# Altium PCB CSU RevB_ASCII.PcbDoc (part 1 of 5)
Units mil, origin at the board's own origin, x right, y up, seen from the top; angles counter-clockwise.
Board outline 5905.51 x 4330.71 mil, 8 copper layers (Top Layer, InternalPlane1, MidLayer1, InternalPlane2, MidLayer2, InternalPlane3, MidLayer3, Bottom Layer); 265 components, 387 nets, 1910 pads, 1151 vias.
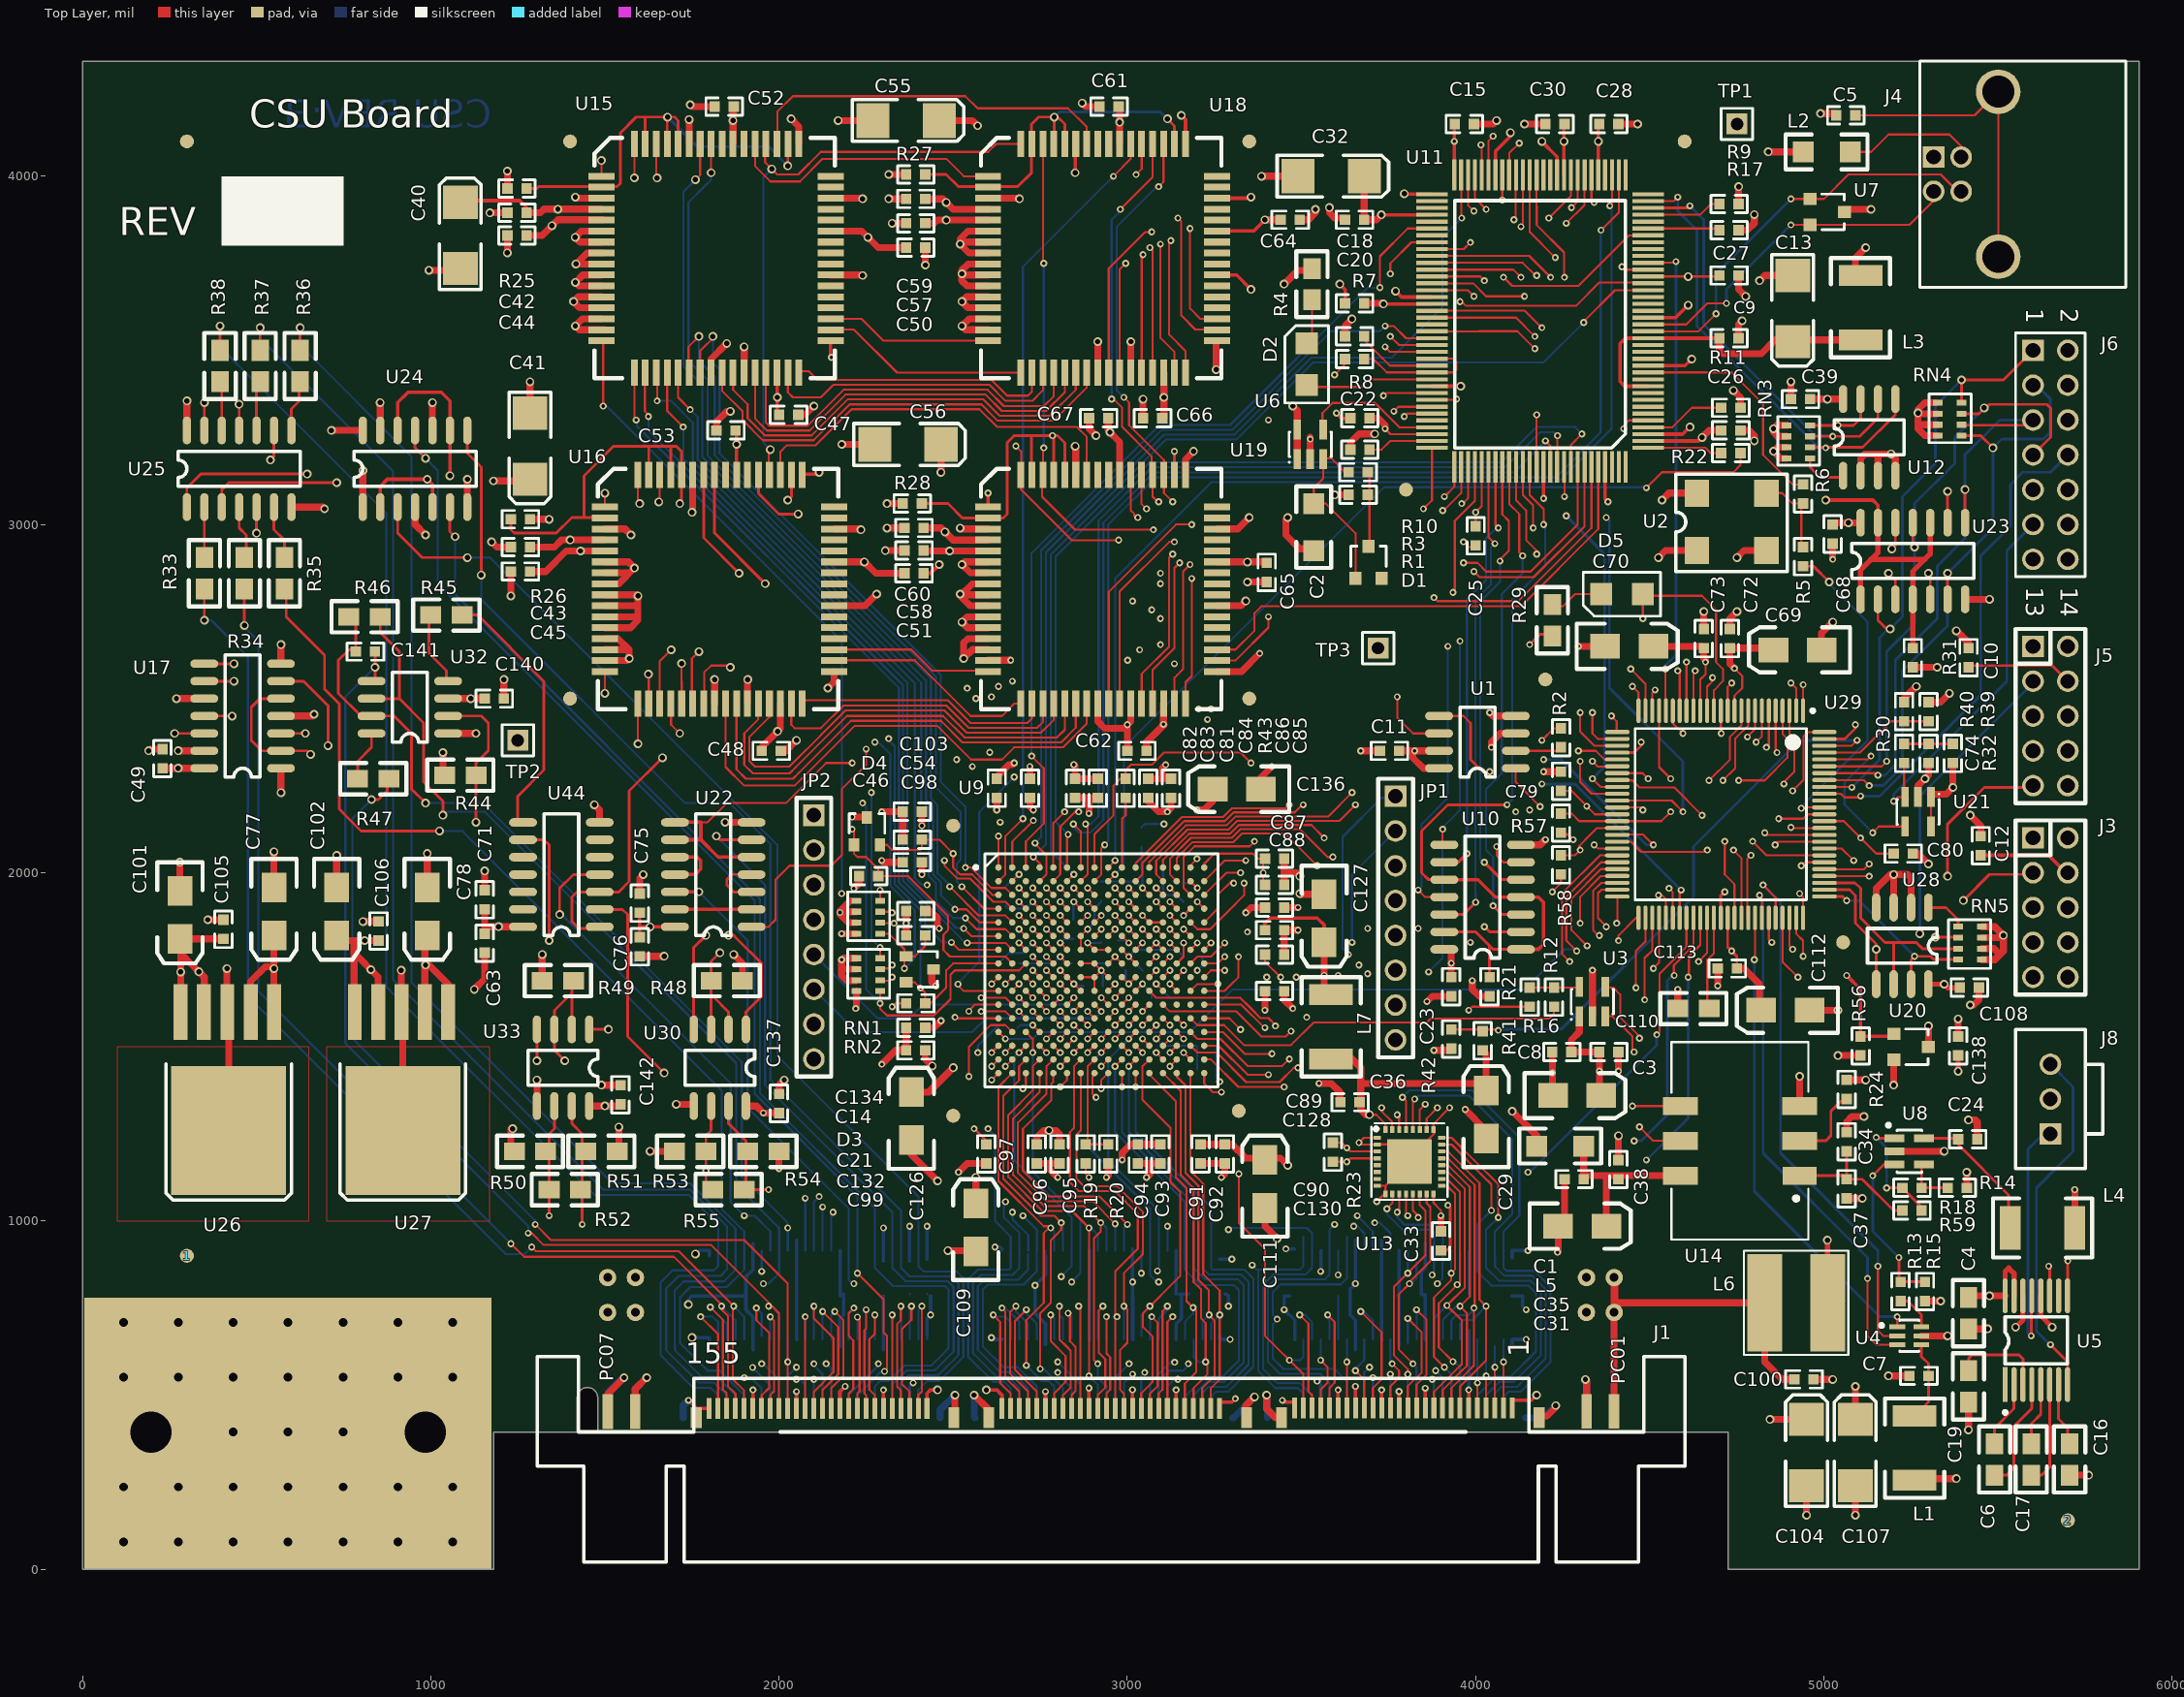
[diagram p0: Top Layer view]
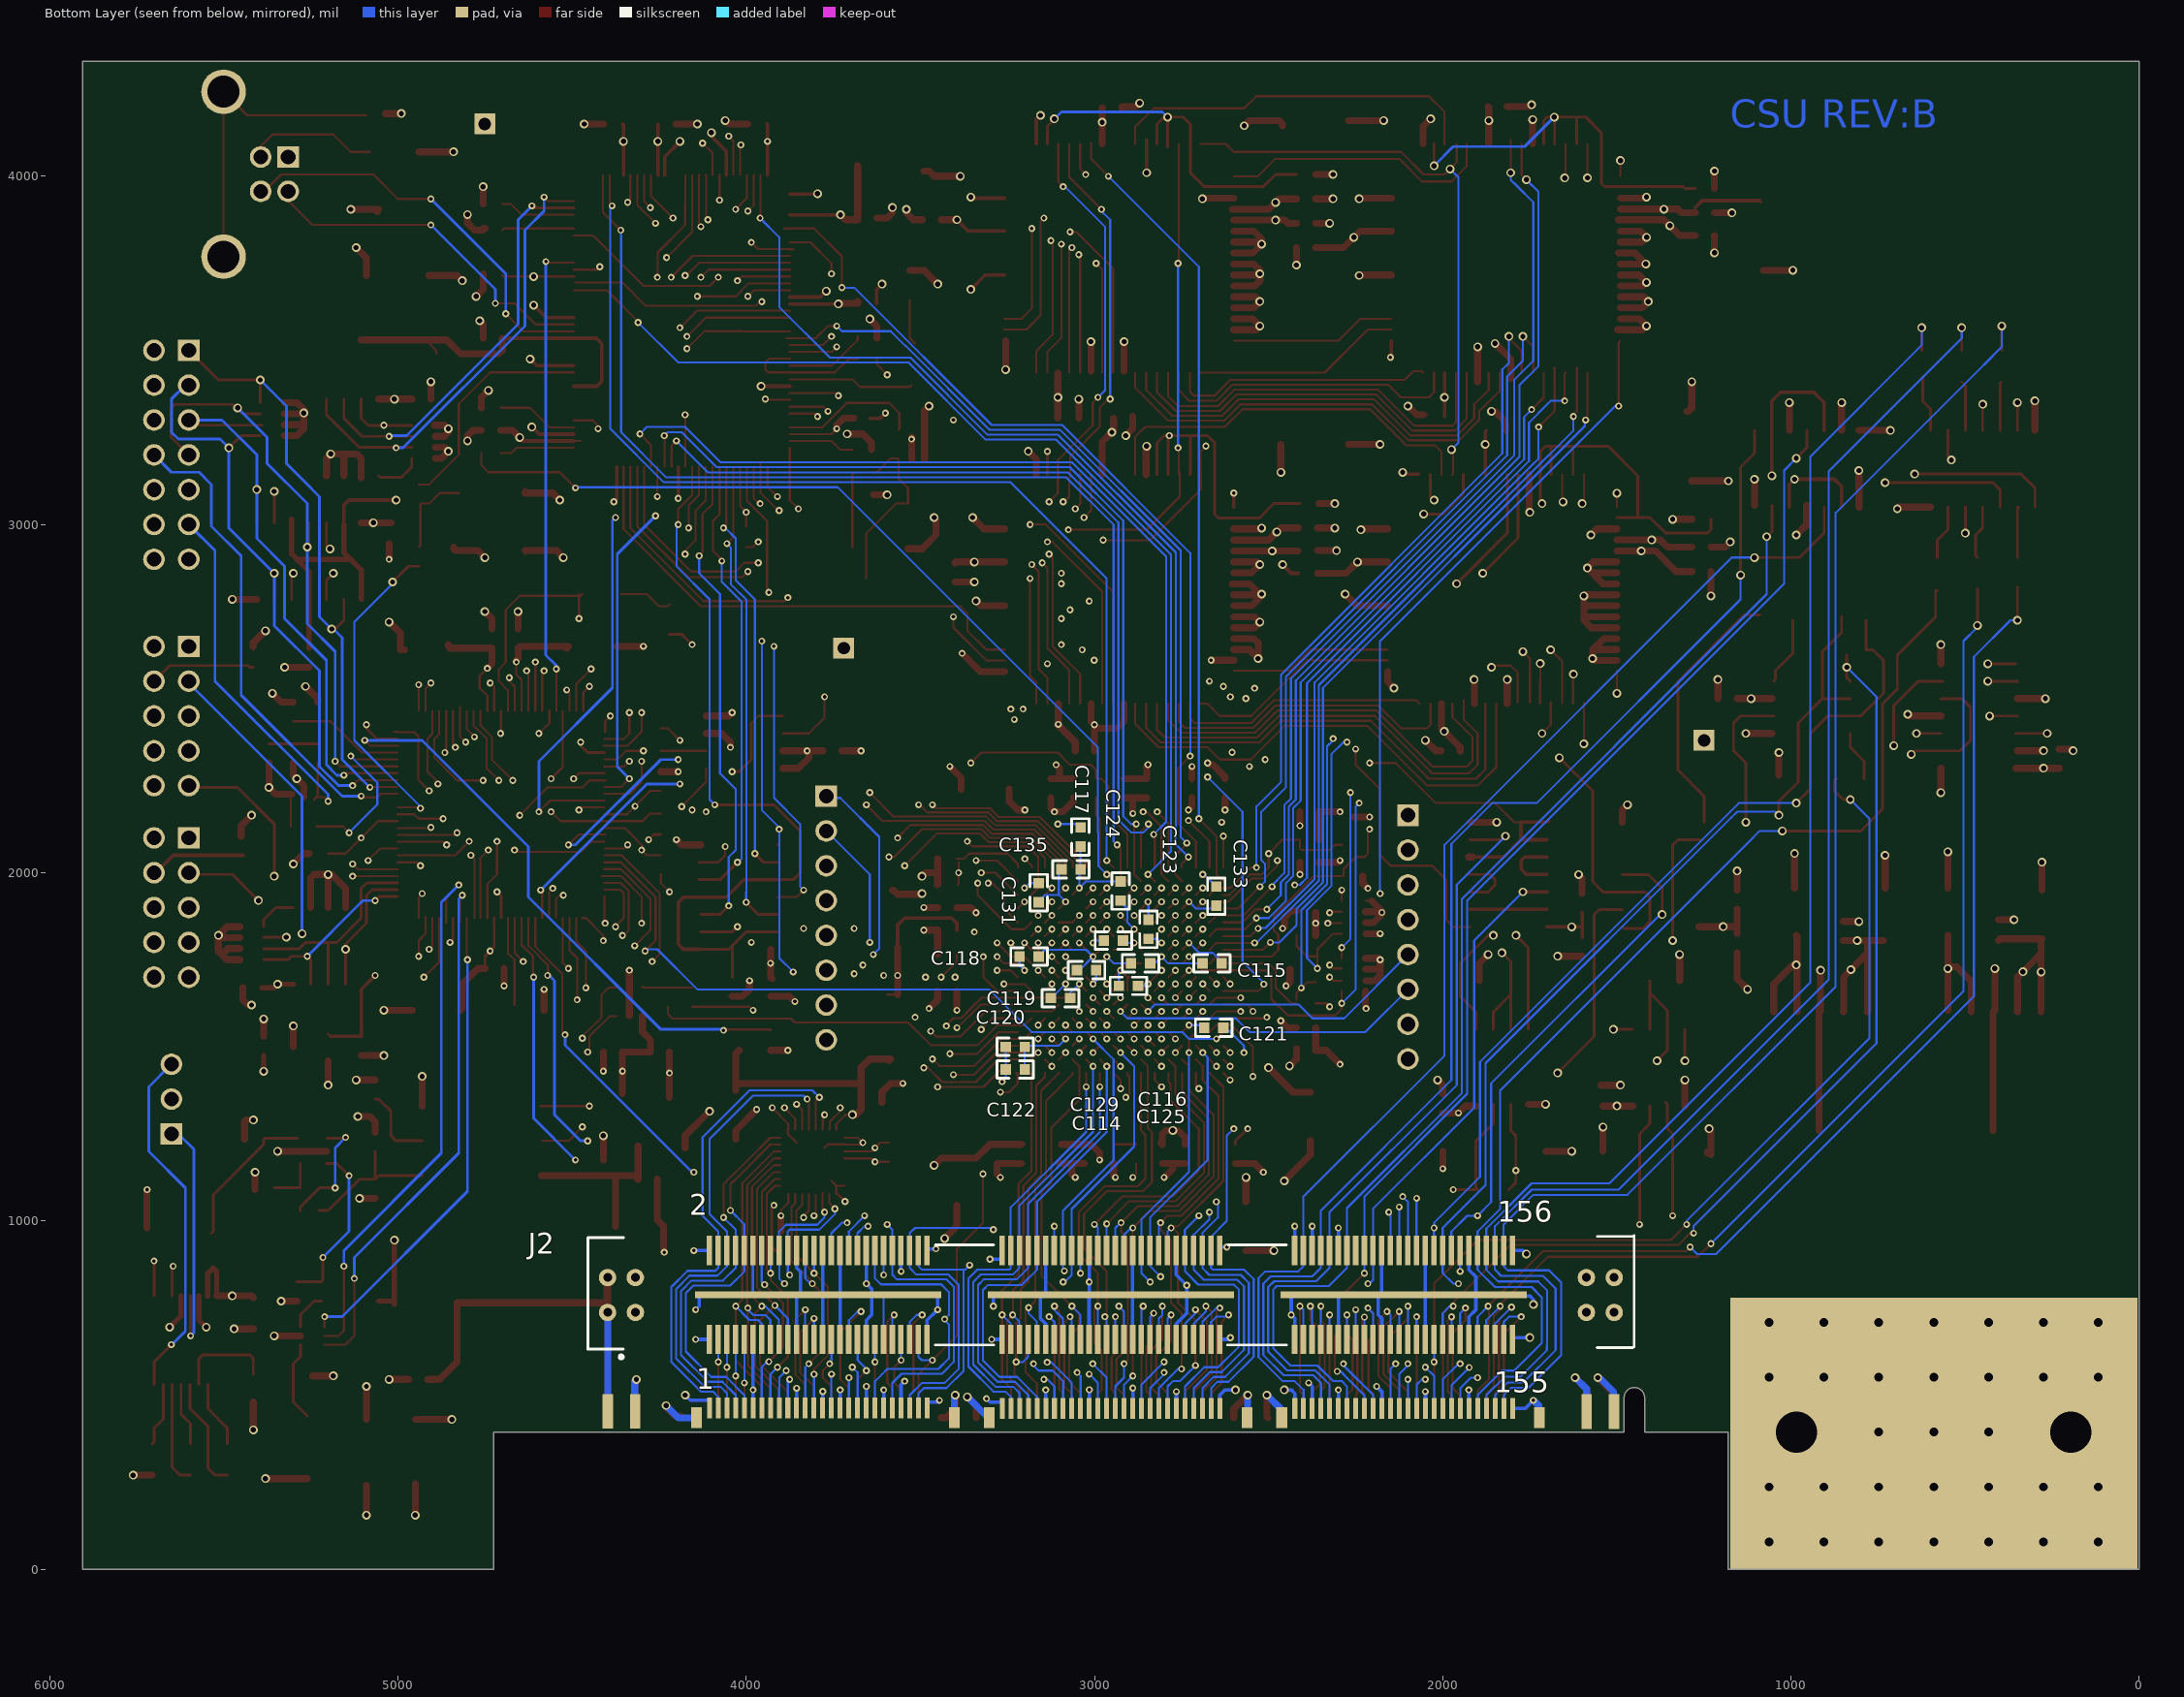
[diagram p1: Bottom Layer view, seen from below]
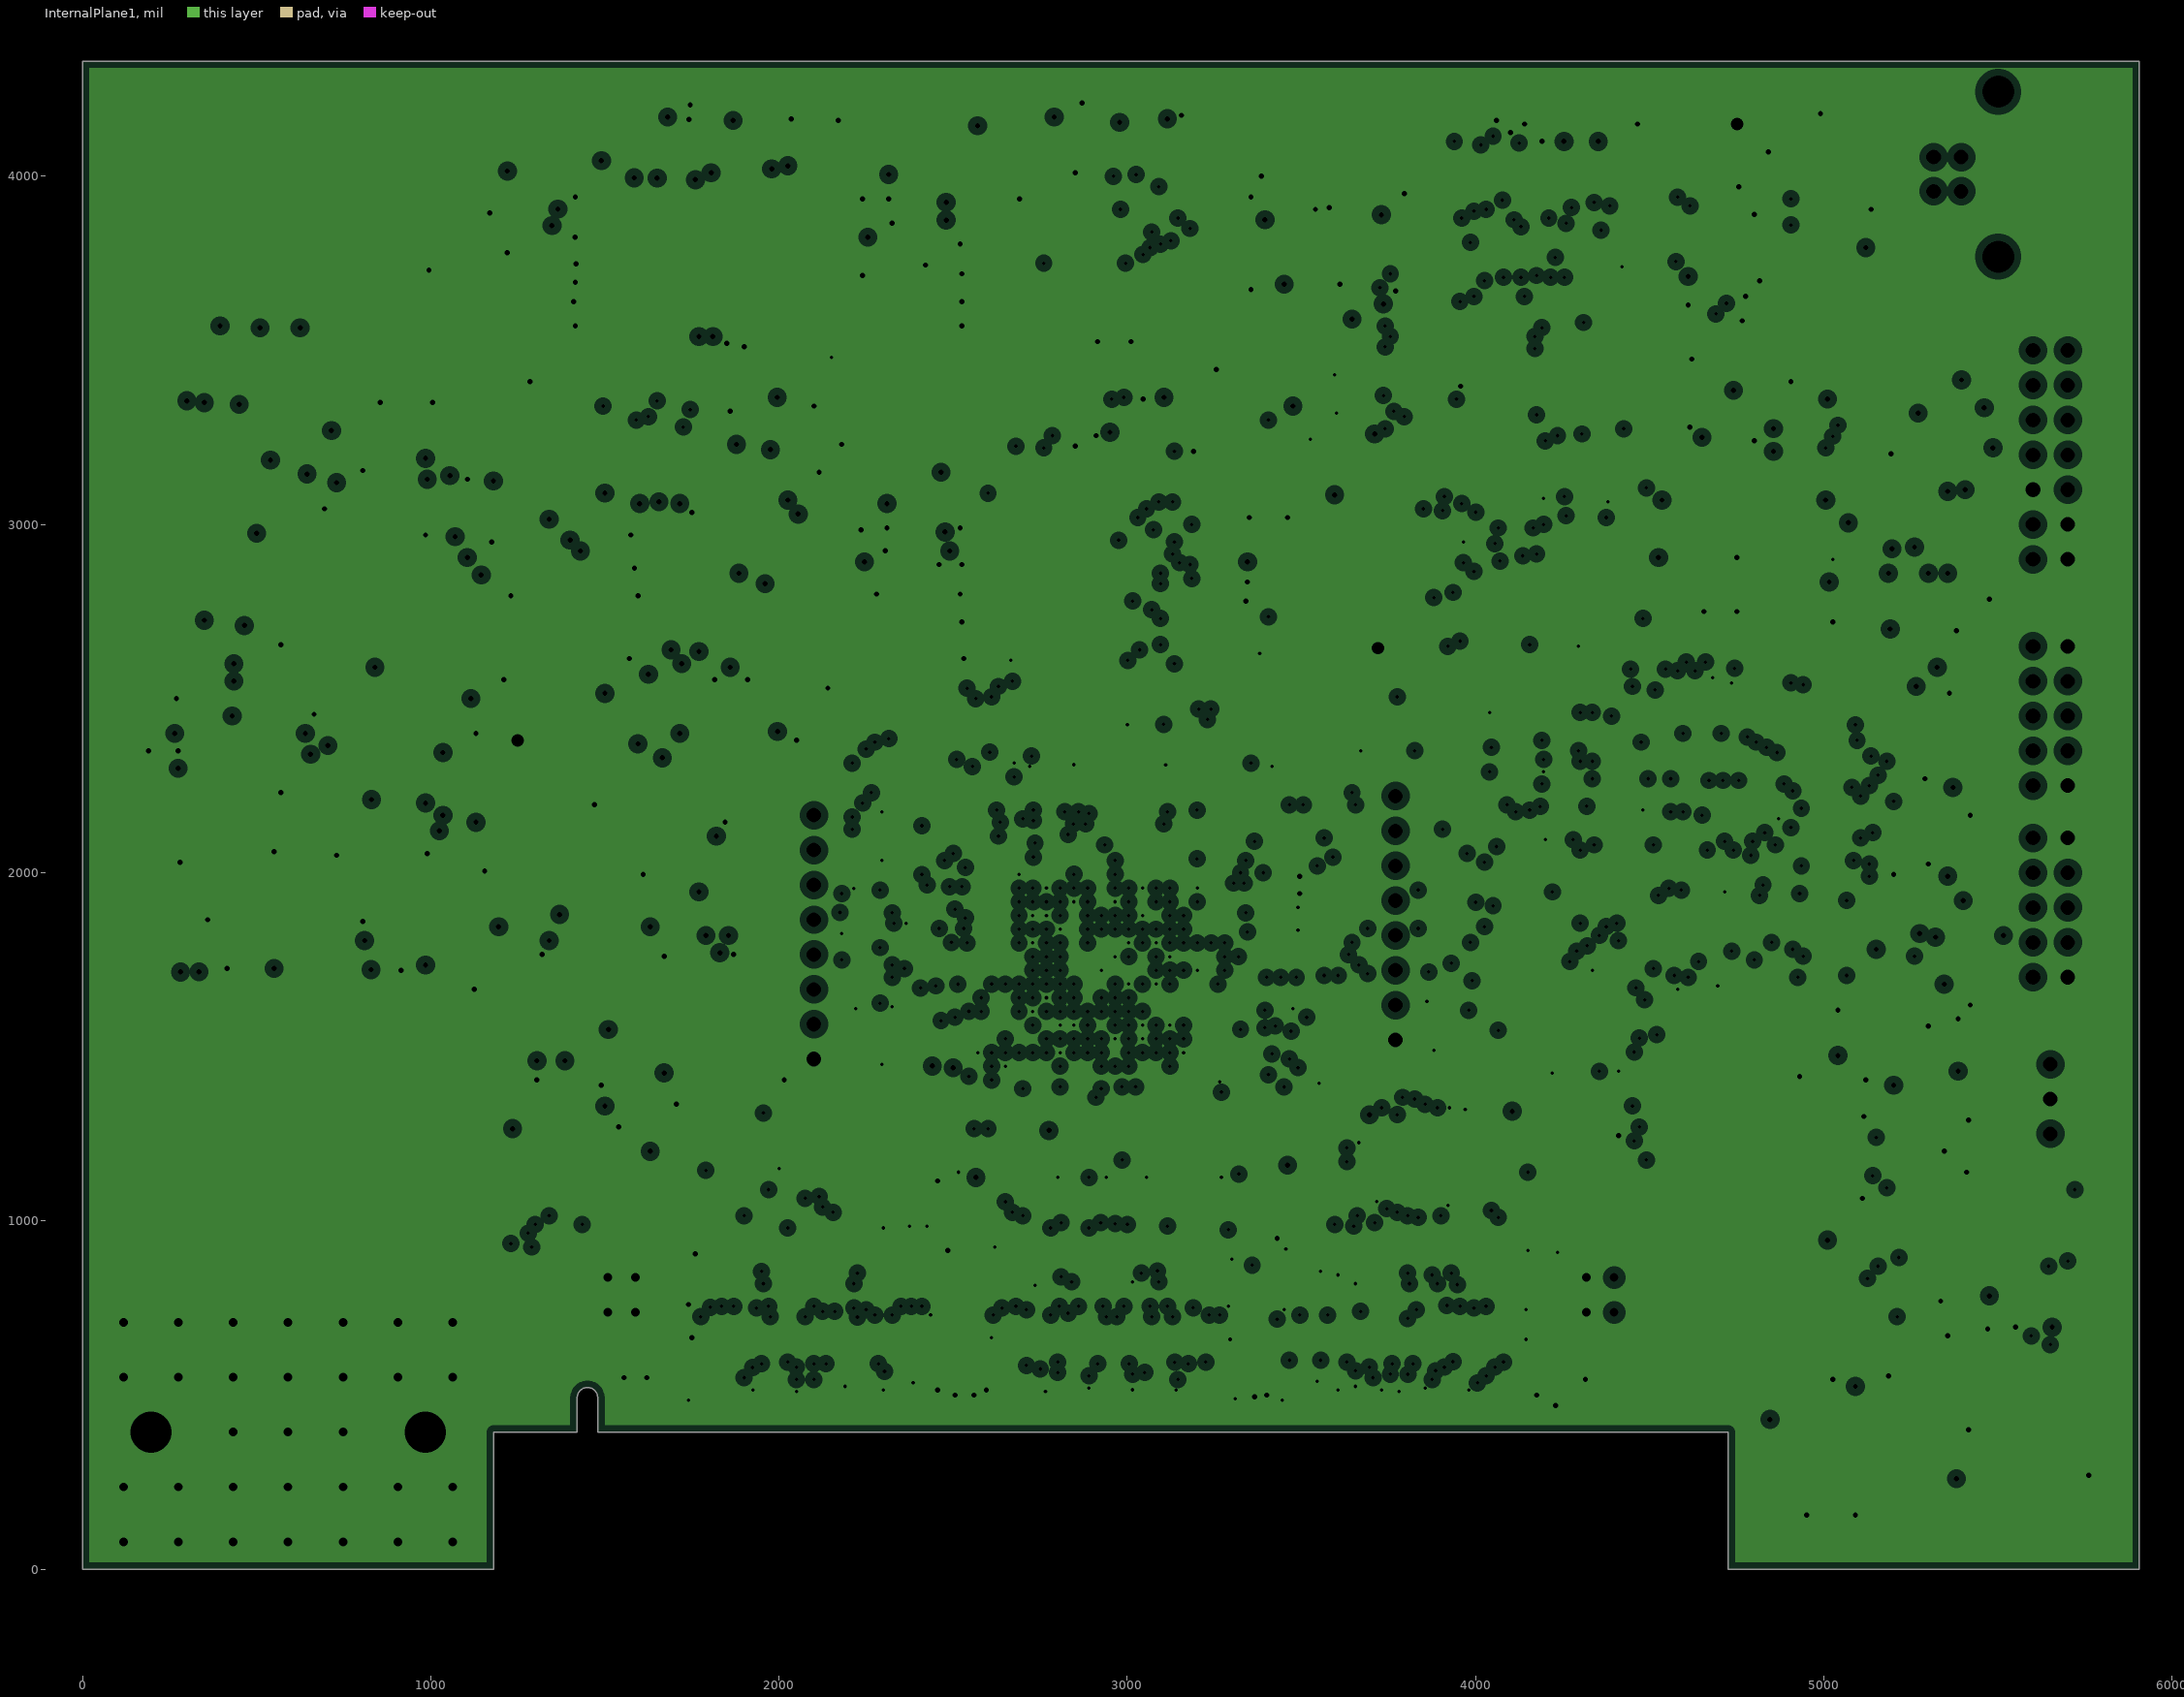
[diagram p2: InternalPlane1, clearances drawn from the general rule]
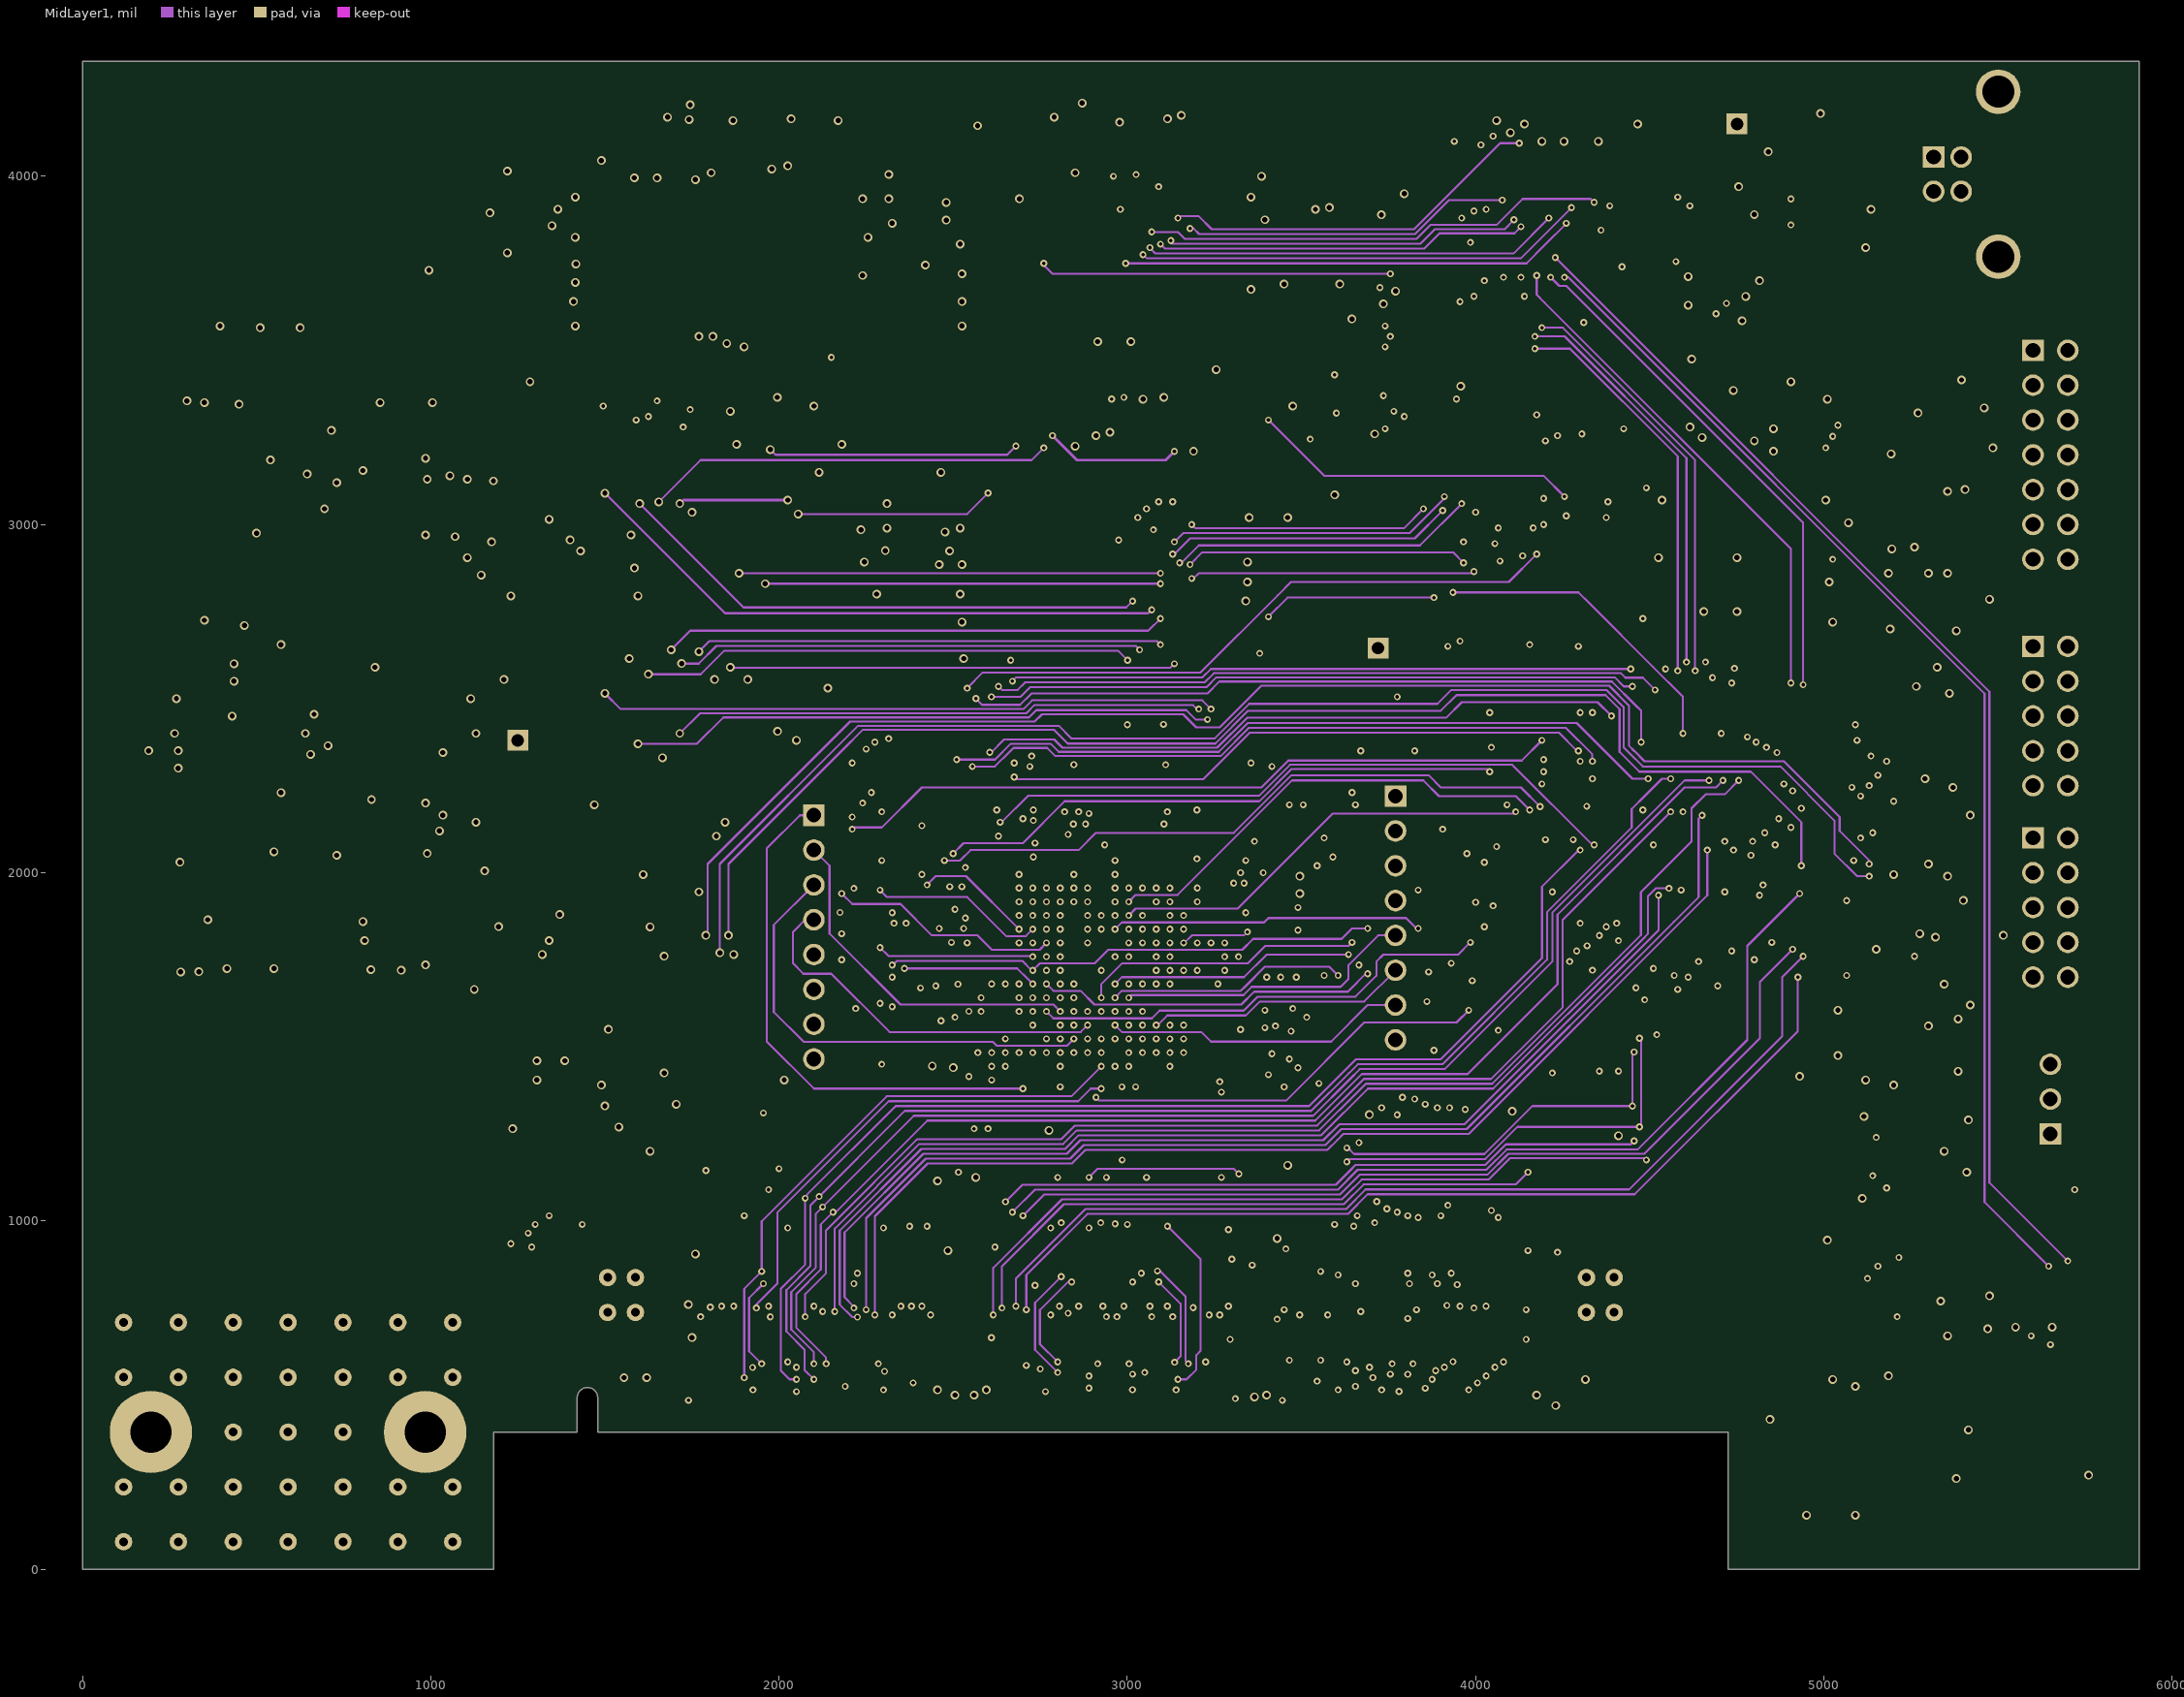
[diagram p3: MidLayer1]